# Altium PCB adc_brd_raton_v0.PcbDoc (part 3 of 5)
Units mm, origin at the board's own origin, x right, y up, seen from the top; angles counter-clockwise.
Board outline 276.61 x 128.4 mm, 2 copper layers (Top Layer, Bottom Layer); 535 components, 265 nets, 1345 pads, 548 vias.
Unrouted connection lines stored in the file: 67.
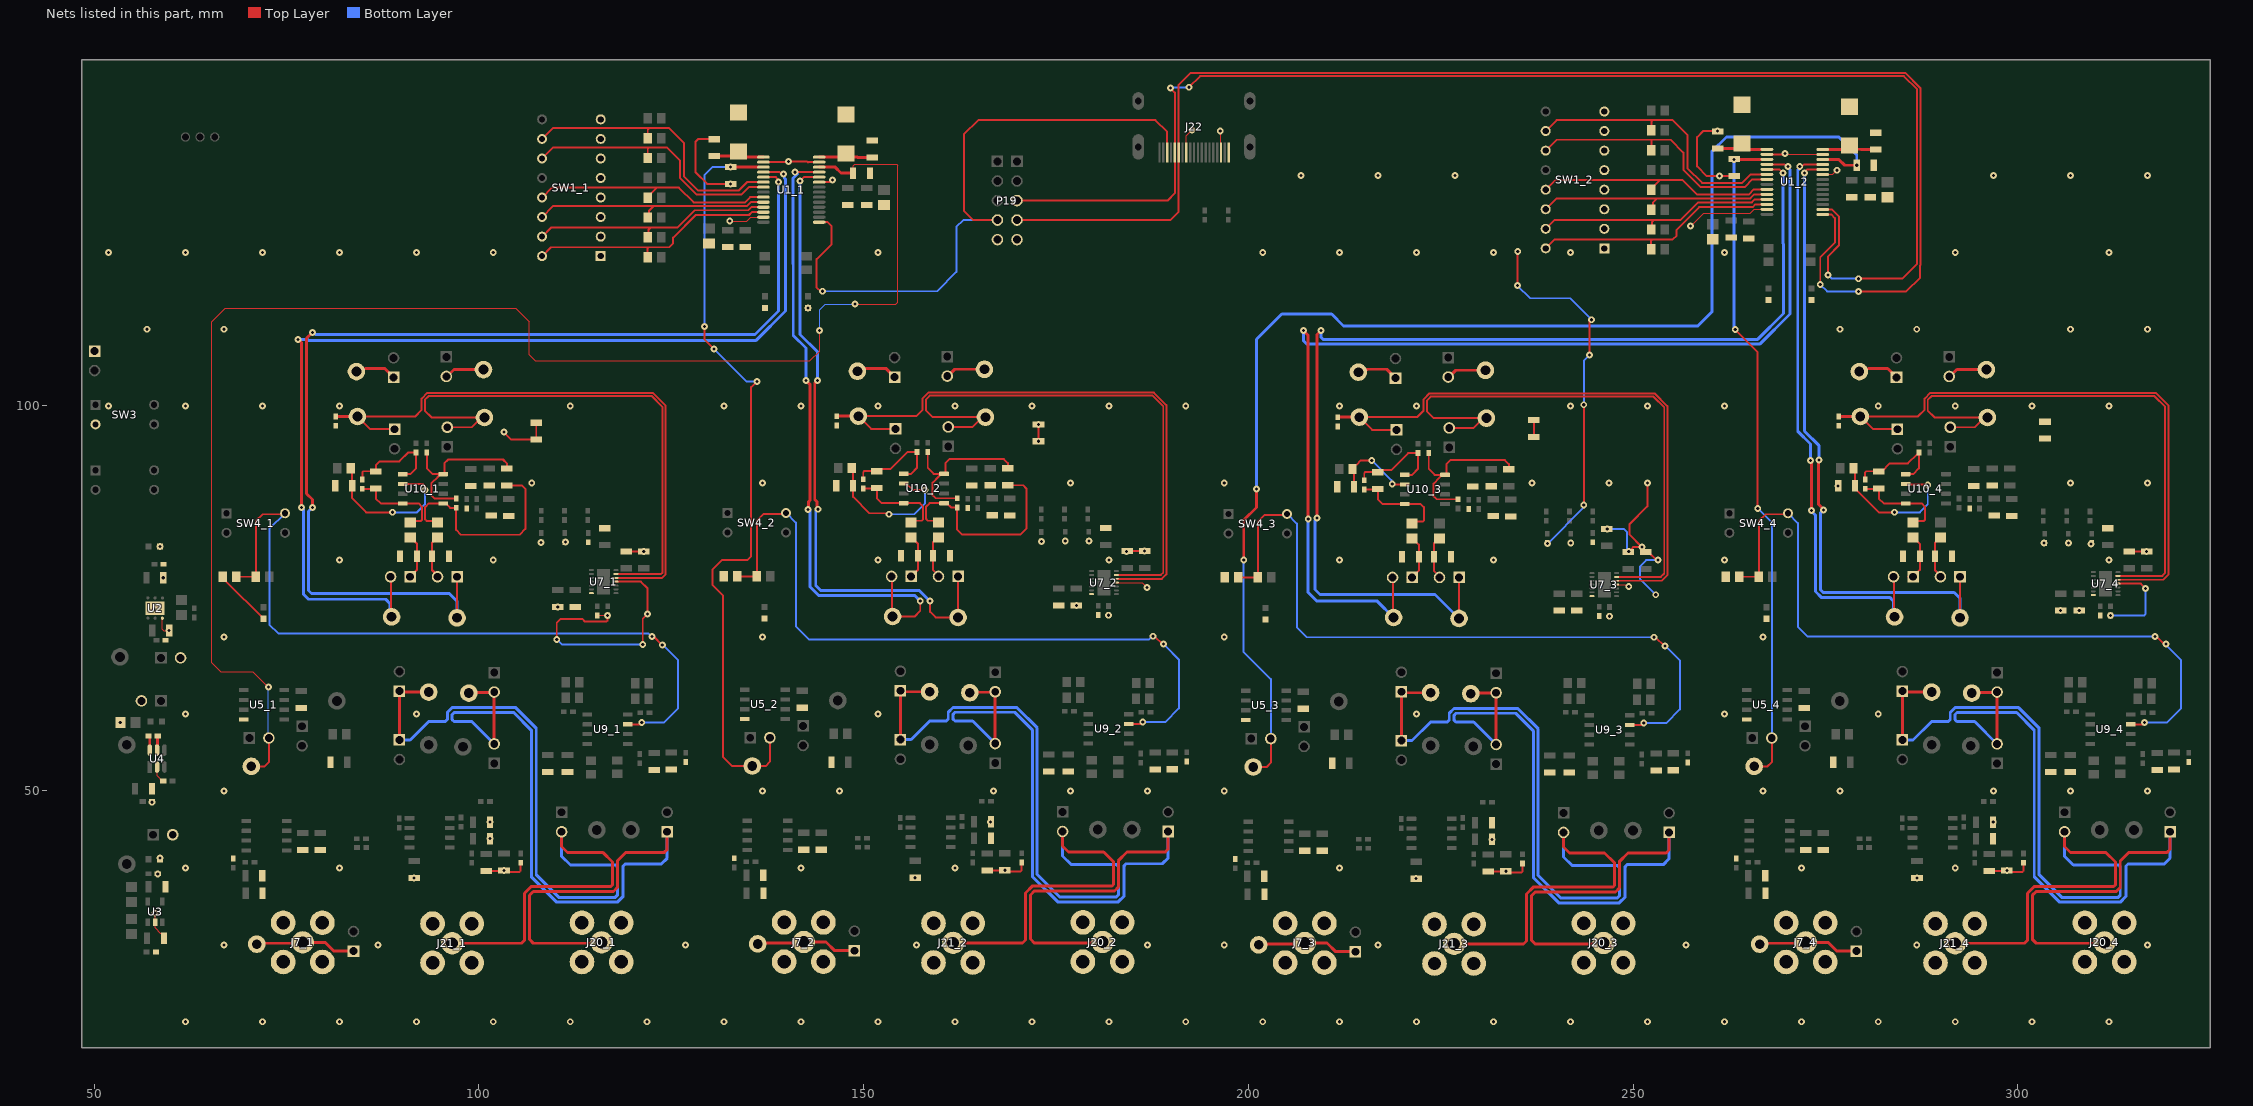
[diagram p3: the nets of this part, all layers, seen from the top]

## Via types
v1: diameter 0.9, hole 0.4, Top Layer to Bottom Layer, tented both sides, 521 vias
v2: diameter 0.9, hole 0.4, Top Layer to Bottom Layer, 23 vias
v3: diameter 6, hole 3.15, Top Layer to Bottom Layer, 4 vias

## Nets (pads, with @x,y where several pads share a name; then routed paths per layer and width w, separated by ;. In a path a pad name is that pad's centre, name@x,y a point inside that pad or via, vN(x,y) a via of type N, cw(c..) or ccw(c..) an arc to the next point about the centre after c; other vN are vias at no path point) (continued)
BCLK_2: J22.5 P19.6 U1_2.16 | length 179.1
  Top Layer w0.254: P19.6@169.926,126.619 189.484,126.619 190.437,127.572 J22.5@190.437,132.842 190.437,140.652 v1(189.865,141.224) ; v1(192.273,141.346) 193.726,142.799 285.198,142.799 286.918,141.078 286.918,119.593 286.915,119.589 286.915,118.386 284.988,116.459 v1(279.273,116.459) ; U1_2.16@274.643,125.469 275.819,125.469 276.733,124.555 276.733,120.777 275.336,119.38 v1(275.336,116.967)
  Bottom Layer w0.254: v1(189.865,141.224) 189.926,141.285 192.212,141.285 v1(192.273,141.346) ; v1(275.336,116.967) 275.844,116.459 v1(279.273,116.459)
CH_1_N: J10_1.1 J20_1.2 P7_1.2 P9_1.2 P11_1.1 | length 115.1
  Top Layer w0.381: J10_1.1@98.679,62.611 98.742,62.674 101.917,62.674 P9_1.2@101.981,62.738 P7_1.2@101.981,56.007 ; J20_1.2@115.938,30.213 115.824,30.099 107.061,30.099 106.553,30.607 106.553,36.322 107.061,36.83 117.475,36.83 117.983,37.338 117.983,40.767 119.126,41.91 124.079,41.91 124.46,42.291 P11_1.1@124.46,44.577
  Bottom Layer w0.381: P7_1.2@101.981,56.007 99.06,58.928 96.743,58.928 96.52,59.151 96.52,59.817 96.774,60.071 104.521,60.071 106.807,57.785 106.807,38.735 110.109,35.433 117.983,35.433 118.745,36.195 118.745,40.132 118.999,40.386 123.698,40.386 124.46,41.148 P11_1.1@124.46,44.577
CH_1_P: J9_1.1 J21_1.2 P8_1.1 P10_1.1 P13_1.2 | length 116.8
  Top Layer w0.381: P10_1.1@89.662,56.515 P8_1.1@89.662,62.865 89.789,62.738 J9_1.1@93.472,62.738 ; J21_1.2@96.52,30.099 105.537,30.099 105.918,30.48 105.918,36.585 106.798,37.465 117.125,37.465 117.348,37.688 117.348,40.64 116.078,41.91 111.506,41.91 111.379,42.037 110.744,42.672 P13_1.2@110.744,44.577
  Bottom Layer w0.381: P10_1.1@89.662,56.515 91.059,56.515 93.472,58.928 95.631,58.928 95.885,59.182 95.885,60.08 96.511,60.706 104.784,60.706 107.442,58.048 107.442,38.998 110.372,36.068 117.72,36.068 117.983,36.331 117.983,40.036 117.76,40.259 111.887,40.259 110.744,41.402 P13_1.2@110.744,44.577
CH_2_N: J10_2.1 J20_2.2 P7_2.2 P9_2.2 P11_2.1 | length 115.1
  Top Layer w0.381: J10_2.1@163.788,62.654 163.851,62.717 167.026,62.717 P9_2.2@167.09,62.781 P7_2.2@167.09,56.05 ; J20_2.2@181.047,30.256 180.933,30.142 172.17,30.142 171.662,30.65 171.662,36.365 172.17,36.873 182.584,36.873 183.092,37.381 183.092,40.81 184.235,41.953 189.188,41.953 189.569,42.334 P11_2.1@189.569,44.62
  Bottom Layer w0.381: P7_2.2@167.09,56.05 164.169,58.971 161.852,58.971 161.629,59.194 161.629,59.86 161.883,60.114 169.63,60.114 171.916,57.828 171.916,38.778 175.218,35.476 183.092,35.476 183.854,36.238 183.854,40.175 184.108,40.429 188.807,40.429 189.569,41.191 P11_2.1@189.569,44.62
CH_2_P: J9_2.1 J21_2.2 P8_2.1 P10_2.1 P13_2.2 | length 116.8
  Top Layer w0.381: P10_2.1@154.771,56.558 P8_2.1@154.771,62.908 154.898,62.781 J9_2.1@158.581,62.781 ; J21_2.2@161.629,30.142 170.646,30.142 171.027,30.523 171.027,36.628 171.907,37.508 182.233,37.508 182.457,37.731 182.457,40.683 181.187,41.953 176.615,41.953 176.488,42.08 175.853,42.715 P13_2.2@175.853,44.62
  Bottom Layer w0.381: P10_2.1@154.771,56.558 156.168,56.558 158.581,58.971 160.74,58.971 160.994,59.225 160.994,60.123 161.62,60.749 169.893,60.749 172.551,58.091 172.551,39.041 175.481,36.111 182.829,36.111 183.092,36.374 183.092,40.079 182.868,40.302 176.996,40.302 175.853,41.445 P13_2.2@175.853,44.62
CH_3_N: J10_3.1 J20_3.2 P7_3.2 P9_3.2 P11_3.1 | length 115.1
  Top Layer w0.381: J10_3.1@228.896,62.527 228.96,62.59 232.135,62.59 P9_3.2@232.198,62.654 P7_3.2@232.198,55.923 ; J20_3.2@246.156,30.129 246.041,30.015 237.278,30.015 236.77,30.523 236.77,36.238 237.278,36.746 247.692,36.746 248.2,37.254 248.2,40.683 249.343,41.826 254.296,41.826 254.677,42.207 P11_3.1@254.677,44.493
  Bottom Layer w0.381: P7_3.2@232.198,55.923 229.277,58.844 226.961,58.844 226.737,59.067 226.737,59.733 226.991,59.987 234.738,59.987 237.024,57.701 237.024,38.651 240.326,35.349 248.2,35.349 248.962,36.111 248.962,40.048 249.216,40.302 253.915,40.302 254.677,41.064 P11_3.1@254.677,44.493
CH_3_P: J9_3.1 J21_3.2 P8_3.1 P10_3.1 P13_3.2 | length 116.8
  Top Layer w0.381: P10_3.1@219.879,56.431 P8_3.1@219.879,62.781 220.006,62.654 J9_3.1@223.689,62.654 ; J21_3.2@226.737,30.015 235.754,30.015 236.135,30.396 236.135,36.501 237.015,37.381 247.342,37.381 247.565,37.604 247.565,40.556 246.295,41.826 241.723,41.826 241.596,41.953 240.961,42.588 P13_3.2@240.961,44.493
  Bottom Layer w0.381: P10_3.1@219.879,56.431 221.276,56.431 223.689,58.844 225.848,58.844 226.102,59.098 226.102,59.996 226.728,60.622 235.001,60.622 237.659,57.964 237.659,38.914 240.589,35.984 247.937,35.984 248.2,36.247 248.2,39.952 247.977,40.175 242.104,40.175 240.961,41.318 P13_3.2@240.961,44.493
CH_4_N: J10_4.1 J20_4.2 P7_4.2 P9_4.2 P11_4.1 | length 115.1
  Top Layer w0.381: J10_4.1@294.005,62.611 294.068,62.674 297.243,62.674 P9_4.2@297.307,62.738 P7_4.2@297.307,56.007 ; J20_4.2@311.264,30.213 311.15,30.099 302.387,30.099 301.879,30.607 301.879,36.322 302.387,36.83 312.801,36.83 313.309,37.338 313.309,40.767 314.452,41.91 319.405,41.91 319.786,42.291 P11_4.1@319.786,44.577
  Bottom Layer w0.381: P7_4.2@297.307,56.007 294.386,58.928 292.069,58.928 291.846,59.151 291.846,59.817 292.1,60.071 299.847,60.071 302.133,57.785 302.133,38.735 305.435,35.433 313.309,35.433 314.071,36.195 314.071,40.132 314.325,40.386 319.024,40.386 319.786,41.148 P11_4.1@319.786,44.577
CH_4_P: J9_4.1 J21_4.2 P8_4.1 P10_4.1 P13_4.2 | length 116.8
  Top Layer w0.381: P10_4.1@284.988,56.515 P8_4.1@284.988,62.865 285.115,62.738 J9_4.1@288.798,62.738 ; J21_4.2@291.846,30.099 300.863,30.099 301.244,30.48 301.244,36.585 302.124,37.465 312.451,37.465 312.674,37.688 312.674,40.64 311.404,41.91 306.832,41.91 306.705,42.037 306.07,42.672 P13_4.2@306.07,44.577
  Bottom Layer w0.381: P10_4.1@284.988,56.515 286.385,56.515 288.798,58.928 290.957,58.928 291.211,59.182 291.211,60.08 291.837,60.706 300.11,60.706 302.768,58.048 302.768,38.998 305.698,36.068 313.046,36.068 313.309,36.331 313.309,40.036 313.086,40.259 307.213,40.259 306.07,41.402 P13_4.2@306.07,44.577
CH_G_OUT_1_N: J16_1.1 P15_1.1 R31_1.2 U7_1.12 | length 79.7
  Top Layer w0.254: P15_1.1@89.027,96.901 85.852,96.901 J16_1.1@84.201,98.552 91.694,98.552 92.558,99.416 92.558,100.879 93.304,101.625 122.596,101.625 124.231,99.99 124.231,78.003 123.817,77.589 U7_1.12@117.805,77.589
  Top Layer w0.381: R31_1.2@81.407,98.552 J16_1.1@84.201,98.552
CH_G_OUT_1_P: J18_1.1 P17_1.2 U7_1.13 | length 73.8
  Top Layer w0.254: P17_1.2@95.885,97.155 99.06,97.155 J18_1.1@100.33,98.425 ; J18_1.1@100.711,98.425 J18_1.1@100.33,98.425 ; U7_1.13@117.805,78.089 123.682,78.089 123.825,78.232 123.825,99.822 122.428,101.219 93.472,101.219 92.964,100.711 92.964,99.314 93.853,98.425 J18_1.1@100.33,98.425
CH_G_OUT_2_N: J16_2.1 P15_2.1 R31_2.2 U7_2.12 | length 79.9
  Top Layer w0.254: P15_2.1@154.136,96.944 150.961,96.944 J16_2.1@149.31,98.595 156.803,98.595 157.666,99.459 157.666,100.922 158.412,101.668 187.705,101.668 189.34,100.033 189.34,78.046 188.756,77.462 U7_2.12@182.829,77.462
  Top Layer w0.381: R31_2.2@146.516,98.595 J16_2.1@149.31,98.595
CH_G_OUT_2_P: J18_2.1 P17_2.2 U7_2.13 | length 74
  Top Layer w0.254: P17_2.2@160.994,97.198 164.169,97.198 J18_2.1@165.439,98.468 ; J18_2.1@165.82,98.468 J18_2.1@165.439,98.468 ; U7_2.13@182.829,77.962 188.621,77.962 188.934,78.275 188.934,99.865 187.537,101.262 158.581,101.262 158.073,100.754 158.073,99.357 158.962,98.468 J18_2.1@165.439,98.468
CH_G_OUT_3_N: J16_3.1 P15_3.1 R31_3.2 U7_3.12 | length 80
  Top Layer w0.254: P15_3.1@219.244,96.817 216.069,96.817 J16_3.1@214.418,98.468 221.911,98.468 222.775,99.332 222.775,100.795 223.521,101.541 252.814,101.541 254.449,99.906 254.449,77.919 253.737,77.208 U7_3.12@247.853,77.208
  Top Layer w0.381: R31_3.2@211.624,98.468 J16_3.1@214.418,98.468
CH_G_OUT_3_P: J18_3.1 P17_3.2 U7_3.13 | length 74.1
  Top Layer w0.254: P17_3.2@226.102,97.071 229.277,97.071 J18_3.1@230.547,98.341 ; J18_3.1@230.928,98.341 J18_3.1@230.547,98.341 ; U7_3.13@247.853,77.708 253.602,77.708 254.042,78.148 254.042,99.738 252.645,101.135 223.689,101.135 223.181,100.627 223.181,99.23 224.07,98.341 J18_3.1@230.547,98.341
CH_G_OUT_4_N: J16_4.1 P15_4.1 R31_4.2 U7_4.12 | length 80
  Top Layer w0.254: P15_4.1@284.353,96.901 281.178,96.901 J16_4.1@279.527,98.552 287.02,98.552 287.884,99.416 287.884,100.879 288.63,101.625 317.922,101.625 319.557,99.99 319.557,78.003 318.889,77.335 U7_4.12@313.004,77.335
  Top Layer w0.381: R31_4.2@276.733,98.552 J16_4.1@279.527,98.552
CH_G_OUT_4_P: J18_4.1 P17_4.2 U7_4.13 | length 74.3
  Top Layer w0.254: P17_4.2@291.211,97.155 294.386,97.155 J18_4.1@295.656,98.425 ; J18_4.1@296.037,98.425 J18_4.1@295.656,98.425 ; U7_4.13@312.752,77.851 318.77,77.851 319.151,78.232 319.151,99.822 317.754,101.219 288.798,101.219 288.29,100.711 288.29,99.314 289.179,98.425 J18_4.1@295.656,98.425
CH_G_OUT_N_1_N: J15_1.1 P14_1.1 | length 5.5
  Top Layer w0.381: J15_1.1@84.074,104.394 84.439,104.759 85.233,104.759 85.25,104.775 87.757,104.775 P14_1.1@88.9,103.632
CH_G_OUT_N_1_P: J13_1.1 P12_1.2 | length 5.2
  Top Layer w0.381: P12_1.2@95.758,103.759 95.849,103.759 96.738,104.648 J13_1.1@100.584,104.648
CH_G_OUT_N_2_N: J15_2.1 P14_2.1 | length 5.5
  Top Layer w0.381: J15_2.1@149.183,104.437 149.547,104.802 150.342,104.802 150.358,104.818 152.866,104.818 P14_2.1@154.009,103.675
CH_G_OUT_N_2_P: J13_2.1 P12_2.2 | length 5.2
  Top Layer w0.381: P12_2.2@160.867,103.802 160.958,103.802 161.847,104.691 J13_2.1@165.693,104.691
CH_G_OUT_N_3_N: J15_3.1 P14_3.1 | length 5.5
  Top Layer w0.381: J15_3.1@214.291,104.31 214.656,104.675 215.451,104.675 215.467,104.691 217.974,104.691 P14_3.1@219.117,103.548
CH_G_OUT_N_3_P: J13_3.1 P12_3.2 | length 5.2
  Top Layer w0.381: P12_3.2@225.975,103.675 226.066,103.675 226.955,104.564 J13_3.1@230.801,104.564
CH_G_OUT_N_4_N: J15_4.1 P14_4.1 | length 5.5
  Top Layer w0.381: J15_4.1@279.4,104.394 279.765,104.759 280.559,104.759 280.576,104.775 283.083,104.775 P14_4.1@284.226,103.632
CH_G_OUT_N_4_P: J13_4.1 P12_4.2 | length 5.2
  Top Layer w0.381: P12_4.2@291.084,103.759 291.175,103.759 292.064,104.648 J13_4.1@295.91,104.648
CH_IN_1: J6_1.1 J7_1.2 P6_1.1 | length 13.1
  Top Layer w0.381: J6_1.1@71.12,29.972 71.241,30.093 76.981,30.093 J7_1.2@77.102,30.213 79.993,30.213 81.123,29.083 P6_1.1@83.693,29.083
CH_IN_2: J6_2.1 J7_2.2 P6_2.1 | length 13.1
  Top Layer w0.381: J6_2.1@136.229,30.015 136.349,30.136 142.09,30.136 J7_2.2@142.21,30.256 145.102,30.256 146.232,29.126 P6_2.1@148.802,29.126
CH_IN_3: J6_3.1 J7_3.2 P6_3.1 | length 13.1
  Top Layer w0.381: J6_3.1@201.337,29.888 201.458,30.009 207.198,30.009 J7_3.2@207.319,30.129 210.21,30.129 211.341,28.999 P6_3.1@213.91,28.999
CH_IN_4: J6_4.1 J7_4.2 P6_4.1 | length 13.1
  Top Layer w0.381: J6_4.1@266.446,29.972 266.567,30.093 272.307,30.093 J7_4.2@272.428,30.213 275.319,30.213 276.449,29.083 P6_4.1@279.019,29.083
CH_OUT_N_1_N: J19_1.1 P18_1.1 U1_1.5 | length 142.8
  Top Layer w0.254: J19_1.1@97.155,72.39 P18_1.1@97.155,77.724 ; U1_1.5@136.964,129.653 138.583,129.653 v1@139.065,129.171
  Top Layer w0.381: v1(78.359,86.741) 78.353,86.747 78.353,87.763 77.597,88.519 77.597,108.712 v1(78.359,109.474)
  Bottom Layer w0.381: v1(78.359,86.741) 77.851,86.233 77.851,75.946 78.232,75.565 96.139,75.565 97.155,74.549 J19_1.1@97.155,72.39 ; v1(78.359,109.474) 78.499,109.474 78.753,109.22 135.89,109.22 138.938,112.268 v1(138.938,129.032)
CH_OUT_N_1_P: J17_1.1 P16_1.2 U1_1.4 | length 137.6
  Top Layer w0.254: P16_1.2@88.519,77.724 88.582,77.66 88.582,72.581 J17_1.1@88.646,72.517 ; U1_1.4@136.964,130.303 139.076,130.303 v1@139.452,129.927
  Top Layer w0.381: v1(76.454,108.585) 76.479,108.585 76.962,108.102 v1(76.962,86.741)
  Bottom Layer w0.381: v1(76.454,108.585) 77.731,108.585 77.858,108.458 136.026,108.458 139.833,112.264 139.833,129.403 139.672,129.563 139.672,129.949 v1(139.573,130.048) ; v1@77.089,86.614 77.216,86.487 77.216,75.438 77.851,74.803 87.884,74.803 88.456,74.231 88.456,72.707 J17_1.1@88.646,72.517
CH_OUT_N_2_N: J19_2.1 P18_2.1 U1_1.24 | length 83
  Top Layer w0.254: v1(141.732,129.171) 142.214,129.653 U1_1.24@144.214,129.653 ; v1(158.623,74.549) 158.623,73.152 159.342,72.433 J19_2.1@162.264,72.433 P18_2.1@162.264,77.767
  Top Layer w0.381: v1(144.018,103.251) 143.637,102.87 143.637,87.757 143.955,87.439 143.955,86.599 v1(144.054,86.499)
  Bottom Layer w0.381: v1(141.732,129.171) 141.732,109.22 144.018,106.934 v1(144.018,103.251) ; v1@144.018,86.487 143.769,86.238 143.769,76.586 144.408,75.946 157.226,75.946 v1(158.623,74.549)
CH_OUT_N_2_P: J17_2.1 P16_2.2 U1_1.25 | length 84
  Top Layer w0.254: v1(141.097,130.302) 141.605,130.302 141.606,130.303 U1_1.25@144.214,130.303 ; P16_2.2@153.628,77.767 153.691,77.703 153.691,72.623 J17_2.1@153.755,72.56 156.634,72.56 157.353,73.279 v1(157.353,74.549)
  Top Layer w0.381: v1(142.494,103.251) 143.002,102.743 143.002,87.63 142.847,87.475 142.847,86.586 v1(142.748,86.487)
  Bottom Layer w0.381: v1(141.097,130.302) 141.155,130.302 141.376,130.08 140.837,129.542 140.837,118.37 140.843,118.364 140.843,109.093 142.494,107.442 v1(142.494,103.251) ; v1@142.875,86.487 142.997,86.365 142.997,76.459 144.145,75.311 156.591,75.311 v1(157.353,74.549)
CH_OUT_N_3_N: J19_3.1 P18_3.1 U1_2.5 | length 142.7
  Top Layer w0.254: J19_3.1@227.372,72.306 P18_3.1@227.372,77.64 ; U1_2.5@267.393,130.669 269.012,130.669 v1(269.494,130.187)
  Top Layer w0.381: v1(208.915,85.344) 208.915,109.22 v1(209.423,109.728)
  Bottom Layer w0.381: v1(208.915,85.344) 208.661,85.09 208.661,76.073 209.296,75.438 224.24,75.438 J19_3.1@227.372,72.306 ; v1(209.423,109.728) 209.423,108.839 209.679,108.583 266.181,108.583 269.553,111.955 269.553,120.951 269.494,121.01 v1(269.494,130.187)
CH_OUT_N_3_P: J17_3.1 P16_3.2 U1_2.4 | length 140.1
  Top Layer w0.254: P16_3.2@218.736,77.64 218.8,77.576 218.8,72.496 J17_3.1@218.863,72.433 ; U1_2.4@267.393,131.319 269.657,131.319 v1@269.789,131.188
  Top Layer w0.381: v1(207.137,109.728) 207.772,109.093 v1(207.772,85.217)
  Bottom Layer w0.381: v1(207.137,109.728) 207.137,108.432 207.621,107.948 266.444,107.948 270.389,111.893 270.389,130.664 270.129,130.924 v1(270.129,131.064) ; v1(207.772,85.217) 207.772,75.692 208.915,74.549 216.747,74.549 J17_3.1@218.863,72.433
CH_OUT_N_4_N: J19_4.1 P18_4.1 U1_2.24 | length 84.6
  Top Layer w0.254: v1@272.161,130.187 272.643,130.669 U1_2.24@274.643,130.669 ; J19_4.1@292.481,72.39 P18_4.1@292.481,77.724
  Top Layer w0.381: v1@274.193,92.964 v1(274.13,92.9) 274.066,92.837 274.066,87.177 274.736,86.507 v1(274.736,86.402)
  Bottom Layer w0.381: v1(272.288,130.175) 272.288,96.647 274.13,94.805 v1(274.13,92.9) ; v1@274.701,86.36 274.325,85.984 274.325,76.078 274.71,75.692 291.719,75.692 292.481,74.93 J19_4.1@292.481,72.39
CH_OUT_N_4_P: J17_4.1 P16_4.2 U1_2.25 | length 78
  Top Layer w0.254: v1(271.653,131.059) 271.653,131.15 271.761,131.258 271.955,131.064 272.21,131.319 U1_2.25@274.643,131.319 ; P16_4.2@283.845,77.724 283.908,77.66 283.908,72.581 J17_4.1@283.972,72.517
  Top Layer w0.381: v1(273.05,92.837) 273.177,92.71 v1(273.177,86.36)
  Bottom Layer w0.381: v1(271.653,131.059) 271.78,130.932 271.393,130.546 271.393,96.643 273.05,94.987 v1(273.05,92.837) ; v1@272.923,86.487 273.685,85.725 273.685,75.819 274.447,75.057 283.337,75.057 283.845,74.549 283.845,72.644 J17_4.1@283.972,72.517
COM_1: C6_1.1 J5_1.1 P5_1.2 U1_1.26 | length 196.2
  Top Layer w0.152: v1(72.644,63.373) 70.612,65.405 66.421,65.405 65.278,66.548 65.278,110.871 67.056,112.649 104.775,112.649 106.553,110.871 106.553,106.553 107.315,105.791 143.002,105.791 144.272,107.061 v1(144.272,109.725) ; C6_1.1@148.633,130.187 148.664,130.218 148.664,131.163 148.819,131.318 154.305,131.318 154.432,131.191 154.432,113.411 154.178,113.157 v1(148.844,113.157)
  Top Layer w0.254: J5_1.1@70.409,53.086 72.136,53.086 72.695,53.645 P5_1.2@72.695,56.769
  Top Layer w0.381: U1_1.26@144.214,130.953 146.3,130.953 147.066,130.187 C6_1.1@148.633,130.187
  Bottom Layer w0.152: v1(72.644,63.373) 72.644,56.82 P5_1.2@72.695,56.769 ; v1(144.272,109.725) 144.272,112.395 145.034,113.157 v1(148.844,113.157)
COM_2: C5_1.1 J5_2.1 P5_2.2 U1_1.3 | length 101.8
  Top Layer w0.254: v1(129.286,110.236) 129.286,108.585 v1(130.556,107.315) ; v1(136.144,103.124) 135.382,102.362 135.382,80.391 134.874,79.883 131.572,79.883 130.325,78.636 130.325,76.667 131.699,75.293 131.699,54.356 132.926,53.129 J5_2.1@135.518,53.129 137.245,53.129 137.804,53.688 P5_2.2@137.804,56.812
  Top Layer w0.381: C5_1.1@132.564,130.96 U1_1.3@136.273,130.96 ; v1(132.715,130.99) C5_1.1@132.762,131.037
  Bottom Layer w0.254: v1(129.286,110.236) 129.286,129.921 130.355,130.99 v1(132.715,130.99) ; v1(130.556,107.315) 134.747,103.124 v1(136.144,103.124)
COM_3: C6_2.1 J5_3.1 P5_3.2 U1_2.26 | length 169
  Top Layer w0.254: J5_3.1@200.626,53.002 202.353,53.002 202.912,53.561 P5_3.2@202.912,56.685
  Top Layer w0.381: v1(199.39,79.883) 199.39,85.09 201.041,86.741 v1(201.041,89.154) ; U1_2.26@274.643,131.969 276.729,131.969 277.495,131.203 v1(279.062,131.203)
  Bottom Layer w0.254: v1(199.39,79.883) 199.39,67.945 202.912,64.423 P5_3.2@202.912,56.685
  Bottom Layer w0.381: v1@201.041,89.281 201.041,108.585 204.343,111.887 210.82,111.887 212.375,110.332 258.409,110.332 260.223,112.146 260.223,132.969 262.128,134.874 276.733,134.874 279.062,132.545 v1(279.062,131.203)
COM_4: C5_2.1 J5_4.1 P5_4.2 U1_2.3 | length 86.7
  Top Layer w0.254: v1(263.271,109.855) 266.192,106.934 v1(266.192,86.614) ; J5_4.1@265.735,53.086 267.462,53.086 268.021,53.645 P5_4.2@268.021,56.769
  Top Layer w0.381: C5_2.1@262.993,131.976 v1(263.092,131.976) U1_2.3@266.702,131.976 ; C5_2.1@263.144,132.006 C5_2.1@263.191,132.053
  Bottom Layer w0.254: v1(266.192,86.614) 268.021,84.785 P5_4.2@268.021,56.769
  Bottom Layer w0.381: v1(263.092,131.976) 263.092,110.034 v1(263.271,109.855)
DATA_1: J22.3 P19.7 U1_1.15 | length 86.7
  Top Layer w0.254: U1_1.15@144.214,123.803 145.322,123.803 145.796,123.329 145.796,120.904 143.891,118.999 143.891,115.316 v1@144.399,114.808 ; P19.7@167.386,124.079 164.211,124.079 163.017,125.273 163.017,135.211 164.89,137.084 187.916,137.084 189.437,135.562 J22.3@189.437,132.842
  Bottom Layer w0.254: v1(144.634,114.831) 159.535,114.831 162.052,117.348 162.052,123.19 162.941,124.079 P19.7@167.386,124.079
DATA_2: J22.6 P19.8 U1_2.15 | length 185.8
  Top Layer w0.254: P19.8@169.926,124.079 189.865,124.079 190.937,125.151 J22.6@190.937,132.842 190.937,141.661 192.481,143.205 285.366,143.205 287.325,141.246 287.325,118.221 287.296,118.192 287.296,116.608 285.496,114.808 v1(279.273,114.808) ; v1(274.32,115.697) 274.32,119.253 276.225,121.158 276.225,124.345 275.751,124.819 U1_2.15@274.643,124.819
  Bottom Layer w0.254: v1(274.32,115.697) 275.209,114.808 v1(279.273,114.808)
DGND: C1_1.2 C1_2.2 C2_1.2 C2_2.2 C3_1.2 C3_2.2 C4_1.2 C4_2.2 C5_1.2 C5_2.2 C6_1.2 C6_2.2 C7_1.2 C7_2.2 C8_1.2 C8_2.2 C9_1.2 C9_2.2 C10_1.2 C10_2.2 C11_1.2 C11_2.2 C12_1.2 C12_2.2 C13.2 C14.2 C15.2 C16.2 C17.2 C18.2 C19.2 C20.2 C21.2 C22.2 C23.2 C25_1.2 C25_2.2 C25_3.2 C25_4.2 C26_1.2 C26_2.2 C26_3.2 C26_4.2 C27_1.2 C27_2.2 C27_3.2 C27_4.2 C28_1.2 C28_2.2 C28_3.2 C28_4.2 C29_1.2 C29_2.2 C29_3.2 C29_4.2 C30_1.2 C30_2.2 C30_3.2 C30_4.2 C31_1.2 C31_2.2 C31_3.2 C31_4.2 C32_1.2 C32_2.2 C32_3.2 C32_4.2 C33_1.2 C33_2.2 C33_3.2 C33_4.2 C34_1.2 C34_2.2 C34_3.2 C34_4.2 C35_1.2 C35_2.2 C35_3.2 C35_4.2 C36_1.2 C36_2.2 C36_3.2 C36_4.2 C37_1.2 C37_2.2 C37_3.2 C37_4.2 C38_1.2 C38_2.2 C38_3.2 C38_4.2 C39_1.2 C39_2.2 C39_3.2 C39_4.2 C40_1.2 C40_2.2 C40_3.2 C40_4.2 C42_1.2 C42_2.2 C42_3.2 C42_4.2 C43_1.2 C43_2.2 C43_3.2 C43_4.2 C44_1.2 C44_2.2 C44_3.2 C44_4.2 C45_1.2 C45_2.2 C45_3.2 C45_4.2 C46_1.2 C46_2.2 C46_3.2 C46_4.2 C56_1.2 C56_2.2 C56_3.2 C56_4.2 C57_1.1 C57_2.1 C57_3.1 C57_4.1 C58_1.2 C58_2.2 C58_3.2 C58_4.2 C59_1.2 C59_2.2 C59_3.2 C59_4.2 C60_1.2 C60_2.2 C60_3.2 C60_4.2 C61_1.2 C61_2.2 C61_3.2 C61_4.2 C62_1.1 C62_1.2 C62_2.1 C62_2.2 C62_3.1 C62_3.2 C62_4.1 C62_4.2 J7_1.1 J7_2.1 J7_3.1 J7_4.1 J20_1.1 J20_2.1 J20_3.1 J20_4.1 J21_1.1 J21_2.1 J21_3.1 J21_4.1 J22.8 J22.17 J22.19 LED1_1.1 LED1_2.1 LED2_1.1 LED2_2.1 LED3.1 LED4.1 LED5_1.1 LED5_2.1 LED5_3.1 LED5_4.1 P1.2 P2.2 P3.2 P19.9 P19.10 P20.1 R19_1.1 R19_2.1 R19_3.1 R19_4.1 R20_1.1 R20_2.1 R20_3.1 R20_4.1 R31_1.1 R31_2.1 R31_3.1 R31_4.1 R48.1 R49.1 R50.1 R54.1 R55.1 R56.1 R60.1 R61.1 R62.1 R66.1 R67.1 R68.1 R70_1.2 R70_2.2 R70_3.2 R70_4.2 R72_1.1 R72_2.1 R72_3.1 R72_4.1 R75_1.2 R75_2.2 R75_3.2 R75_4.2 R78_1.1 R78_2.1 R78_3.1 R78_4.1 R79_1.1 R79_2.1 R79_3.1 R79_4.1 R80.1 SW1_1.1 SW1_1.2 SW1_1.3 SW1_1.4 SW1_1.5 SW1_1.6 SW1_1.7 SW1_1.8 SW1_2.1 SW1_2.2 SW1_2.3 SW1_2.4 SW1_2.5 SW1_2.6 SW1_2.7 SW1_2.8 SW3.2 U1_1.2 U1_1.13 U1_1.23 U1_1.27 U1_2.2 U1_2.13 U1_2.23 U1_2.27 U2.3 U2.7 U3.2 U4.2 U5_1.4 U5_2.4 U5_3.4 U5_4.4 U7_1.7 U7_1.11 U7_2.7 U7_2.11 U7_3.7 U7_3.11 U7_4.7 U7_4.11 | length 246.3
  Top Layer w0.152: v2(57.912,34.036) U3.2@57.912,32.813 57.912,32.084 58.589,31.408 58.731,31.408 59.055,31.084 C18.2@59.055,30.734 ; U4.2@58.166,53.002 58.166,51.878 58.863,51.181 C21.2@58.963,51.181 ; U2.3@58.862,72.339 58.862,70.932 59.055,70.739 v1(59.739,70.739) ; R19_1.1@115.382,72.706 116.687,72.706 v1(116.713,72.679) ; v1(132.588,123.952) 134.81,123.952 135.311,124.453 U1_1.13@136.964,124.453 ; U7_2.11@182.829,76.962 186.182,76.962 v1(186.817,76.327) ; J22.8@191.937,132.842 191.937,135.041 v2(192.659,135.763) ; v2(196.342,135.636) 196.389,135.589 196.389,132.89 J22.17@196.437,132.842 ; U7_3.11@247.853,76.708 248.972,76.708 249.226,76.454 v1(249.428,76.454) ; v2(257.429,123.317) 257.556,123.317 259.207,124.968 265.239,124.968 265.74,125.469 U1_2.13@267.393,125.469 ; v1(269.763,132.73) 269.828,132.666 274.596,132.666 U1_2.27@274.643,132.619 ; U1_2.23@274.643,130.019 275.942,130.019 v2(276.479,130.556)
  Top Layer w0.254: R70_1.2@66.689,77.724 67.112,77.301 67.112,77.16 LED5_1.1@72.009,72.263 ; C28_1.2@100.965,39.497 103.208,39.497 103.335,39.37 105.261,39.37 105.41,39.519 R79_1.1@105.41,40.548 ; v1(103.251,96.52) 104.224,95.547 C62_1.1@107.442,95.547 C62_1.2@107.442,97.747 ; v1(110.109,69.596) 110.109,71.755 110.617,72.263 113.4,72.263 113.781,71.882 116.564,71.882 116.713,72.031 v1(116.713,72.679) ; U7_1.11@117.805,77.089 121.031,77.089 121.92,76.2 v1(121.92,72.898) 121.285,72.263 v1(121.285,68.903) ; C36_1.2@119.126,81.026 v1(121.412,81.026) ; C3_1.2@130.556,134.589 130.525,134.62 128.524,134.62 128.143,134.239 128.143,130.302 129.655,128.79 v1(132.715,128.79) ; U1_1.2@136.964,131.603 140.112,131.603 v1(140.223,131.714) 142.606,131.714 142.748,131.572 142.779,131.603 U1_1.27@144.214,131.603 ; U1_1.23@144.214,129.003 145.513,129.003 v1@145.669,129.159 ; C28_2.2@166.074,39.54 168.317,39.54 168.444,39.413 170.37,39.413 170.519,39.562 R79_2.1@170.519,40.591 ; v1(172.72,95.336) v1(172.72,97.536) ; C36_2.2@184.235,81.069 v1(186.521,81.069) ; C28_3.2@231.182,39.413 233.425,39.413 233.552,39.286 235.479,39.286 235.627,39.435 R79_3.1@235.627,40.464 ; v1(234.95,115.57) 234.975,115.595 234.975,119.975 v2(235,120) ; C62_3.1@237.109,95.885 C62_3.2@237.109,98.085 ; v1(243.586,87.058) v1(243.586,100.076) ; v1(244.348,106.553) 244.348,110.871 v1(244.602,111.125) ; C36_3.2@249.343,80.942 249.989,81.587 v1(251.153,81.587) 249.555,83.185 249.555,84.582 251.841,86.868 v1(251.841,89.916) ; C35_3.2@251.629,80.942 251.979,80.942 253.038,79.883 v1(253.238,79.883) ; C3_2.2@260.985,135.605 260.954,135.636 259.08,135.636 258.318,134.874 258.318,131.064 259.576,129.806 v1(261.227,129.806) C5_2.2@263.144,129.806 ; U1_2.2@267.393,132.619 269.652,132.619 v1(269.763,132.73) ; C28_4.2@296.291,39.497 298.534,39.497 298.661,39.37 300.587,39.37 300.736,39.519 R79_4.1@300.736,40.548 ; U7_4.11@313.004,76.835 315.976,76.835 v1(316.611,76.2) ; C36_4.2@314.452,81.026 v1(316.738,81.026)
  Bottom Layer w0.254: v1(110.109,69.596) 110.802,68.903 v1(121.285,68.903) ; v1(234.95,115.57) 236.601,113.919 241.808,113.919 v1(244.602,111.125) ; v1(238.887,82.042) 243.586,86.741 v1(243.586,87.058) ; v1(243.586,100.076) 243.586,105.791 v1(244.348,106.553) ; v1(246.634,83.947) 248.793,83.947 249.221,83.519 v1@249.221,81.28 ; v1(252.938,75.388) 250.9,77.426 250.9,79.085 251.698,79.883 v1(253.238,79.883) ; v1(312.039,72.679) 316.392,72.679 316.611,72.898 v1(316.611,76.2)
  other v1: 61.86,19.891 71.86,19.891 81.86,19.891 91.86,19.891 101.86,19.891 111.86,19.891 121.86,19.891 131.86,19.891 141.86,19.891 151.86,19.891 161.86,19.891 171.86,19.891 181.86,19.891 191.86,19.891 201.86,19.891 211.86,19.891 221.86,19.891 231.86,19.891 241.86,19.891 251.86,19.891 261.86,19.891 271.86,19.891 281.86,19.891 291.86,19.891 301.86,19.891 311.86,19.891 66.86,29.891 86.86,29.891 126.86,29.891 156.86,29.891 186.86,29.891 196.86,29.891 216.86,29.891 256.86,29.891 286.86,29.891 316.86,29.891 221.784,38.483 91.567,38.567 286.893,38.567 156.676,38.61 233.468,39.456 103.251,39.54 298.577,39.54 168.36,39.583 61.86,39.891 81.86,39.891 141.86,39.891 161.86,39.891 211.86,39.891 271.86,39.891 291.86,39.891 58.547,41.148 231.647,43.604 101.43,43.688 101.43,45.847 166.497,45.847 296.799,45.847 66.86,49.891 136.86,49.891 146.86,49.891 166.86,49.891 176.86,49.891 186.86,49.891 196.86,49.891 266.86,49.891 276.86,49.891 296.86,49.891 306.86,49.891 316.86,49.891 61.86,59.891 91.86,59.891 151.86,59.891 221.86,59.891 261.86,59.891 281.86,59.891 66.86,69.891 136.86,69.891 196.86,69.891 266.86,69.891 246.93,72.595 181.822,72.722 305.562,73.322 307.975,73.322 57.785,73.533 110.236,73.787 177.631,74 58.969,77.597 81.86,79.891 101.86,79.891 151.86,79.891 181.86,79.891 211.86,79.891 231.86,79.891 261.86,79.891 311.86,79.891 249.428,80.986 184.15,81.026 58.535,81.661 309.499,81.985 241.889,82.112 303.38,82.112 306.566,82.112 108.077,82.204 173.101,82.331 179.255,82.366 106.86,89.891 136.86,89.891 176.86,89.891 196.86,89.891 236.86,89.891 246.86,89.891 306.86,89.891 316.86,89.891 51.86,99.891 61.86,99.891 71.86,99.891 81.86,99.891 111.86,99.891 131.86,99.891 141.86,99.891 151.86,99.891 161.86,99.891 171.86,99.891 181.86,99.891 191.86,99.891 211.86,99.891 221.86,99.891 241.86,99.891 251.86,99.891 261.86,99.891 281.86,99.891 291.86,99.891 301.86,99.891 311.86,99.891 56.86,109.891 66.86,109.891 276.86,109.891 286.86,109.891 306.86,109.891 316.86,109.891 142.748,112.673 51.86,119.891 61.86,119.891 71.86,119.891 81.86,119.891 91.86,119.891 101.86,119.891 151.86,119.891 201.86,119.891 211.86,119.891 221.86,119.891 231.86,119.891 241.86,119.891 261.86,119.891 291.86,119.891 311.86,119.891 145.923,129.298 206.86,129.891 216.86,129.891 226.86,129.891 296.86,129.891 306.86,129.891 316.86,129.891 260.985,135.636
  other v2: 58.258,39.116 57.506,48.424 53.381,58.801 111.226,82.219 176.195,82.366 276.649,89.535
FG_EN_1: R69_1.1 R70_1.1 SW4_1.4 U9_1.7 | length 97.8
  Top Layer w0.254: R70_1.1@68.439,77.724 R69_1.1@71.007,77.724 71.007,84.977 71.882,85.852 74.676,85.852 SW4_1.4@74.803,85.979 ; U9_1.7@119.338,58.547 120.904,58.547 v1(121.158,58.801) ; v1@122.428,69.977 122.682,69.977 v1(123.825,68.834)
  Bottom Layer w0.254: SW4_1.4@74.803,85.979 72.771,83.947 72.771,71.501 73.914,70.358 76.962,70.358 122.002,70.358 122.41,69.949 v1(122.474,69.949) ; v1(121.158,58.801) 124.079,58.801 125.857,60.579 125.857,66.929 v1@124.079,68.707
FG_EN_2: R69_2.1 R70_2.1 SW4_2.4 U9_2.7 | length 94.7
  Top Layer w0.254: R70_2.1@133.548,77.767 R69_2.1@136.116,77.767 136.116,85.02 136.991,85.895 139.785,85.895 SW4_2.4@139.912,86.022 ; U9_2.7@184.447,58.59 186.013,58.59 v1(186.267,58.844) ; v1@187.537,70.02 187.791,70.02 188.85,68.961 v1(188.976,68.961)
  Bottom Layer w0.254: SW4_2.4@139.912,86.022 141.182,84.752 141.182,71.29 142.876,69.596 187.11,69.596 187.507,69.992 v1(187.582,69.992) ; v1(186.267,58.844) 189.188,58.844 190.966,60.622 190.966,66.972 v1@189.188,68.75
FG_EN_3: R69_3.1 R70_3.1 SW4_3.4 U9_3.7 | length 94.4
  Top Layer w0.254: R70_3.1@198.656,77.64 R69_3.1@201.224,77.64 201.224,84.893 202.099,85.768 204.893,85.768 SW4_3.4@205.02,85.895 ; U9_3.7@249.555,58.463 251.121,58.463 v1(251.375,58.717) ; v1@252.645,69.893 252.899,69.893 254.085,68.707 v1(254.127,68.707)
  Bottom Layer w0.254: SW4_3.4@205.02,85.895 206.29,84.625 206.29,71.163 207.588,69.865 v1(252.691,69.865) ; v1(251.375,58.717) 254.296,58.717 256.074,60.495 256.074,66.845 v1@254.296,68.623
FG_EN_4: R69_4.1 R70_4.1 SW4_4.4 U9_4.7 | length 94.4
  Top Layer w0.254: R70_4.1@263.765,77.724 R69_4.1@266.333,77.724 266.333,84.977 267.208,85.852 270.002,85.852 SW4_4.4@270.129,85.979 ; U9_4.7@314.664,58.547 316.23,58.547 v1(316.484,58.801) ; v1@317.754,69.977 318.008,69.977 319.024,68.961 v1(319.278,68.961)
  Bottom Layer w0.254: SW4_4.4@270.129,85.979 271.399,84.709 271.399,71.247 272.697,69.949 v1(317.8,69.949) ; v1(316.484,58.801) 319.405,58.801 321.183,60.579 321.183,66.929 v1@319.405,68.707
FMT0_1_1: R2_1.1 SW1_1.10 U1_1.6 | length 37.1
  Top Layer w0.254: SW1_1.10@108.204,134.632 109.615,136.043 122.149,136.043 ; R2_1.1@121.934,134.723 121.934,135.828 122.149,136.043 ; U1_1.6@136.964,129.003 134.833,129.003 133.731,127.901 128.524,127.901 126.619,129.806 126.619,134.124 124.7,136.043 122.149,136.043
FMT0_1_2: R2_2.1 SW1_2.10 U1_2.6 | length 37.1
  Top Layer w0.254: SW1_2.10@238.633,135.648 240.044,137.059 252.578,137.059 ; R2_2.1@252.363,135.739 252.363,136.844 252.578,137.059 ; U1_2.6@267.393,130.019 265.262,130.019 264.16,128.917 258.953,128.917 257.048,130.822 257.048,135.14 255.129,137.059 252.578,137.059
FMT1_1_1: R3_1.1 SW1_1.11 U1_1.7 | length 35
  Top Layer w0.254: SW1_1.11@108.204,132.092 109.615,133.503 122.083,133.503 ; R3_1.1@121.934,132.146 121.934,133.354 122.083,133.503 ; U1_1.7@136.964,128.353 135.072,128.353 134.112,127.393 128.314,127.393 126.111,129.596 126.111,131.838 124.446,133.503 122.083,133.503
FMT1_1_2: R3_2.1 SW1_2.11 U1_2.7 | length 35
  Top Layer w0.254: SW1_2.11@238.633,133.108 240.044,134.519 252.512,134.519 ; R3_2.1@252.363,133.162 252.363,134.37 252.512,134.519 ; U1_2.7@267.393,129.369 265.501,129.369 264.541,128.409 258.743,128.409 256.54,130.612 256.54,132.854 254.875,134.519 252.512,134.519
FS0_1_1: R5_1.1 SW1_1.13 U1_1.9 | length 32.2
  Top Layer w0.254: SW1_1.13@108.204,127.012 109.488,128.296 123.111,128.296 ; R5_1.1@121.934,126.994 121.934,127.119 123.111,128.296 ; U1_1.9@136.964,127.053 135.252,127.053 134.576,126.377 127.893,126.377 125.974,128.296 123.111,128.296
FS0_1_2: R5_2.1 SW1_2.13 U1_2.9 | length 32.2
  Top Layer w0.254: SW1_2.13@238.633,128.028 239.917,129.312 253.54,129.312 ; R5_2.1@252.363,128.01 252.363,128.135 253.54,129.312 ; U1_2.9@267.393,128.069 265.681,128.069 265.005,127.393 258.322,127.393 256.403,129.312 253.54,129.312
FS1_1_1: R6_1.1 SW1_1.14 U1_1.10 | length 31.3
  Top Layer w0.254: SW1_1.14@108.204,124.472 109.615,125.883 122.682,125.883 ; R6_1.1@121.934,124.418 122.124,124.607 122.124,125.325 122.682,125.883 ; U1_1.10@136.964,126.403 135.321,126.403 134.801,125.883 122.682,125.883
FS1_1_2: R6_2.1 SW1_2.14 U1_2.10 | length 31.3
  Top Layer w0.254: SW1_2.14@238.633,125.488 240.044,126.899 253.111,126.899 ; R6_2.1@252.363,125.434 252.553,125.623 252.553,126.341 253.111,126.899 ; U1_2.10@267.393,127.419 265.75,127.419 265.23,126.899 253.111,126.899
FS2_1_1: R7_1.1 SW1_1.15 U1_1.11 | length 31.7
  Top Layer w0.254: SW1_1.15@108.204,121.932 109.361,123.089 122.301,123.089 ; R7_1.1@121.934,121.841 122.047,121.954 122.047,122.835 122.301,123.089 ; U1_1.11@136.964,125.753 135.389,125.753 134.997,125.361 128.016,125.361 125.744,123.089 122.301,123.089
FS2_1_2: R7_2.1 SW1_2.15 U1_2.11 | length 31.7
  Top Layer w0.254: SW1_2.15@238.633,122.948 239.79,124.105 252.73,124.105 ; R7_2.1@252.363,122.857 252.476,122.97 252.476,123.851 252.73,124.105 ; U1_2.11@267.393,126.769 265.818,126.769 265.426,126.377 258.445,126.377 256.173,124.105 252.73,124.105
HPFD+_1_1: R8_1.1 SW1_1.16 U1_1.12 | length 32.9
  Top Layer w0.254: SW1_1.16@108.204,119.392 109.361,120.549 122.069,120.549 ; R8_1.1@121.934,119.265 121.92,119.279 121.92,120.4 122.069,120.549 ; U1_1.12@136.964,125.103 135.458,125.103 135.095,124.74 128.157,124.74 125.222,121.805 125.222,121.057 124.714,120.549 122.069,120.549
HPFD+_1_2: R8_2.1 SW1_2.16 U1_2.12 | length 32.9
  Top Layer w0.254: SW1_2.16@238.633,120.408 239.79,121.565 252.498,121.565 ; R8_2.1@252.363,120.281 252.349,120.295 252.349,121.416 252.498,121.565 ; U1_2.12@267.393,126.119 265.887,126.119 265.524,125.756 258.586,125.756 255.651,122.821 255.651,122.073 255.143,121.565 252.498,121.565
NetC1_1_1: C1_1.1 C3_1.1 U1_1.1 | length 7
  Top Layer w0.381: C3_1.1@130.556,132.389 133.124,132.389 C1_1.1@133.731,132.996 134.474,132.253 U1_1.1@136.964,132.253
NetC1_2_1: C1_2.1 C3_2.1 U1_2.1 | length 7
  Top Layer w0.381: C3_2.1@260.985,133.405 263.553,133.405 C1_2.1@264.16,134.012 264.903,133.269 U1_2.1@267.393,133.269
NetC2_1_1: C2_1.1 C4_1.1 U1_1.28 | length 7.3
  Top Layer w0.381: U1_1.28@144.214,132.253 147.212,132.253 C2_1.1@147.701,132.742 148.173,132.27 149.174,132.27 149.225,132.219 C4_1.1@151.13,132.219
NetC2_2_1: C2_2.1 C4_2.1 U1_2.28 | length 7.3
  Top Layer w0.381: U1_2.28@274.643,133.269 277.641,133.269 C2_2.1@278.13,133.758 278.602,133.286 279.603,133.286 279.654,133.235 C4_2.1@281.559,133.235
NetC24_1: C24.1 U4.5 | length 1.9
  Top Layer w0.381: U4.5@58.166,55.202 58.202,55.239 58.202,56.967 C24.1@58.258,57.023
NetC24_2: C24.2 U4.6 | length 1.9
  Top Layer w0.381: C24.2@57.058,57.023 57.106,57.023 57.216,56.914 U4.6@57.216,55.202
NetC41_1_1: C41_1.1 R30_1.1 R33_1.2 U10_1.1 | length 13.5
  Top Layer w0.254: R30_1.1@84.836,90.354 84.836,91.291 84.985,91.44 86.571,91.44 86.614,91.483 86.614,92.202 87.122,92.71 89.662,92.71 90.84,93.888 R33_1.2@91.821,93.888 91.821,91.821 91.059,91.059 U10_1.1@90.085,91.059
NetC41_1_2: C41_1.2 R30_1.2 R32_1.1 U10_1.4 | length 12.9
  Top Layer w0.254: R30_1.2@84.836,89.154 86.571,89.154 C41_1.2@86.614,89.197 86.614,87.884 87.249,87.249 U10_1.4@90.085,87.249 92.18,87.249 92.583,86.846 92.583,85.112 92.434,84.963 91.268,84.963 R32_1.1@91.059,84.754
NetC41_2_1: C41_2.1 R30_2.1 R33_2.2 U10_2.1 | length 13.2
  Top Layer w0.254: R30_2.1@149.945,90.397 149.945,91.334 150.093,91.483 151.68,91.483 C41_2.1@151.723,91.44 151.996,91.713 153.442,91.713 155.66,93.931 R33_2.2@156.93,93.931 156.93,91.864 156.168,91.102 U10_2.1@155.194,91.102
NetC41_2_2: C41_2.2 R30_2.2 R32_2.1 U10_2.4 | length 12.9
  Top Layer w0.254: R30_2.2@149.945,89.197 151.68,89.197 C41_2.2@151.723,89.24 151.723,87.927 152.358,87.292 U10_2.4@155.194,87.292 157.289,87.292 157.692,86.889 157.692,85.155 157.543,85.006 156.377,85.006 R32_2.1@156.168,84.797
NetC41_3_1: C41_3.1 R30_3.1 R33_3.2 U10_3.1 | length 13.1
  Top Layer w0.254: R30_3.1@215.053,90.27 215.053,91.207 215.202,91.356 216.788,91.356 217.018,91.586 218.551,91.586 220.769,93.804 R33_3.2@222.038,93.804 222.038,91.737 221.276,90.975 U10_3.1@220.302,90.975
NetC41_3_2: C41_3.2 R30_3.2 R32_3.1 U10_3.4 | length 12.9
  Top Layer w0.254: R30_3.2@215.053,89.07 216.788,89.07 C41_3.2@216.831,89.113 216.831,87.8 217.466,87.165 U10_3.4@220.302,87.165 222.398,87.165 222.8,86.762 222.8,85.028 222.652,84.879 221.485,84.879 R32_3.1@221.276,84.67
NetC41_4_1: C41_4.1 R30_4.1 R33_4.2 U10_4.1 | length 13.1
  Top Layer w0.254: R30_4.1@280.162,90.354 280.162,91.291 280.311,91.44 281.897,91.44 C41_4.1@281.94,91.397 282.29,91.397 283.349,92.456 285.715,92.456 286.899,93.64 286.974,93.64 R33_4.2@287.147,93.813 ; U10_4.1@285.411,91.059 286.385,91.059 287.147,91.821 R33_4.2@287.147,93.813 ; R33_4.2@287.147,93.888 R33_4.2@287.147,93.813
NetC41_4_2: C41_4.2 R30_4.2 R32_4.1 U10_4.4 | length 12.9
  Top Layer w0.254: R30_4.2@280.162,89.154 281.897,89.154 C41_4.2@281.94,89.197 281.94,87.884 282.575,87.249 U10_4.4@285.411,87.249 287.506,87.249 287.909,86.846 287.909,85.112 287.76,84.963 286.594,84.963 R32_4.1@286.385,84.754
NetC44_1_1: C44_1.1 P16_1.1 R32_1.2 | length 7.4
  Top Layer w0.254: P16_1.1@90.424,77.724 P16_1.1@91.059,77.724 ; R32_1.2@91.059,82.804 91.134,82.804 91.948,81.99 C44_1.1@91.948,80.391 91.948,78.613 P16_1.1@91.059,77.724 ; P16_1.1@91.694,78.359 P16_1.1@91.059,77.724
NetC44_2_1: C44_2.1 P16_2.1 R32_2.2 | length 7.4
  Top Layer w0.254: P16_2.1@155.533,77.767 P16_2.1@156.168,77.767 ; R32_2.2@156.168,82.847 156.243,82.847 157.057,82.033 C44_2.1@157.057,80.434 157.057,78.656 P16_2.1@156.168,77.767 ; P16_2.1@156.803,78.402 P16_2.1@156.168,77.767
NetC44_3_1: C44_3.1 P16_3.1 R32_3.2 | length 7.4
  Top Layer w0.254: P16_3.1@220.641,77.64 P16_3.1@221.276,77.64 ; R32_3.2@221.276,82.72 221.351,82.72 222.165,81.906 C44_3.1@222.165,80.307 222.165,78.529 P16_3.1@221.276,77.64 ; P16_3.1@221.911,78.275 P16_3.1@221.276,77.64
NetC44_4_1: C44_4.1 P16_4.1 R32_4.2 | length 7.4
  Top Layer w0.254: P16_4.1@285.75,77.724 P16_4.1@286.385,77.724 ; R32_4.2@286.385,82.804 286.46,82.804 287.274,81.99 C44_4.1@287.274,80.391 287.274,78.613 P16_4.1@286.385,77.724 ; P16_4.1@287.02,78.359 P16_4.1@286.385,77.724
NetC45_1_1: C45_1.1 P18_1.2 R35_1.2 | length 5.7
  Top Layer w0.254: P18_1.2@94.615,77.724 94.615,77.885 93.896,78.604 C45_1.1@93.896,80.391 93.896,82.16 94.54,82.804 R35_1.2@94.615,82.804
NetC45_2_1: C45_2.1 P18_2.2 R35_2.2 | length 5.7
  Top Layer w0.254: P18_2.2@159.724,77.767 159.724,77.928 159.005,78.647 C45_2.1@159.005,80.434 159.005,82.203 159.649,82.847 R35_2.2@159.724,82.847
NetC45_3_1: C45_3.1 P18_3.2 R35_3.2 | length 5.7
  Top Layer w0.254: P18_3.2@224.832,77.64 224.832,77.801 224.113,78.52 C45_3.1@224.113,80.307 224.113,82.076 224.757,82.72 R35_3.2@224.832,82.72
NetC45_4_1: C45_4.1 P18_4.2 R35_4.2 | length 5.7
  Top Layer w0.254: P18_4.2@289.941,77.724 289.941,77.885 289.222,78.604 C45_4.1@289.222,80.391 289.222,82.16 289.866,82.804 R35_4.2@289.941,82.804
NetC46_1_1: C46_1.1 R36_1.2 U10_1.2 | length 20
  Top Layer w0.254: R36_1.2@83.312,91.821 83.523,91.61 C46_1.1@83.523,89.535 83.523,87.927 85.344,86.106 v1(88.773,86.106) ; U10_1.2@90.085,89.789 92.71,89.789 92.964,89.535 v1(92.964,89.027)
  Bottom Layer w0.254: v1(88.773,86.106) 91.948,86.106 92.964,87.122 v1(92.964,89.027)
NetC46_2_1: C46_2.1 R36_2.2 U10_2.2 | length 19.8
  Top Layer w0.254: R36_2.2@148.421,91.864 148.632,91.653 C46_2.1@148.632,89.578 148.632,88.096 150.749,85.979 v1@153.543,85.979 ; U10_2.2@155.194,89.832 155.544,89.832 156.349,89.027 v1(157.988,89.027)
  Bottom Layer w0.254: v1(153.289,85.852) 156.591,85.852 157.988,87.249 v1(157.988,89.027)
NetC46_3_1: C46_3.1 R36_3.2 U10_3.2 | length 11.2
  Top Layer w0.254: C46_3.1@213.74,89.451 213.74,91.526 R36_3.2@213.529,91.737 213.529,91.862 213.952,92.285 214.077,92.285 214.629,92.837 v1(216.027,92.837) ; v1(218.694,89.789) 218.778,89.705 U10_3.2@220.302,89.705
  Bottom Layer w0.254: v1(216.027,92.837) 218.57,90.294 218.57,89.913 v1(218.694,89.789)
NetC46_4_1: C46_4.1 R36_4.2 U10_4.2 | length 19.3
  Top Layer w0.254: R36_4.2@278.638,91.821 278.849,91.61 C46_4.1@278.849,89.535 278.849,89.185 281.928,86.106 v1(283.972,86.106) ; U10_4.2@285.411,89.789 285.474,89.725 288.226,89.725 v1(288.29,89.662)
  Bottom Layer w0.254: v1(283.972,86.106) 287.274,86.106 288.29,87.122 v1(288.29,89.662)
NetC47_1_1: C47_1.1 R34_1.2 R37_1.1 U10_1.8 | length 21.8
  Top Layer w0.254: R34_1.2@93.218,93.888 93.218,91.821 93.98,91.059 U10_1.8@94.985,91.059 ; R37_1.1@97.028,87.884 94.234,87.884 93.853,88.265 93.853,89.916 94.615,90.678 94.615,90.689 U10_1.8@94.985,91.059 ; C47_1.1@103.632,91.778 103.632,92.456 103.124,92.964 96.012,92.964 95.504,92.456 95.504,91.207 95.356,91.059 U10_1.8@95.335,91.059 U10_1.8@94.985,91.059
NetC47_1_2: C47_1.2 R35_1.1 R37_1.2 U10_1.5 | length 28.1
  Top Layer w0.254: R35_1.1@94.615,84.754 94.406,84.963 93.218,84.963 92.989,85.192 92.989,86.766 93.472,87.249 U10_1.5@95.335,87.249 95.685,87.249 96.25,86.684 R37_1.2@97.028,86.684 97.028,83.82 97.663,83.185 105.283,83.185 106.045,83.947 106.045,89.154 105.621,89.578 C47_1.2@103.632,89.578
NetC47_2_1: C47_2.1 R34_2.2 R37_2.1 U10_2.8 | length 21.8
  Top Layer w0.254: R34_2.2@158.327,93.931 158.327,91.864 159.089,91.102 U10_2.8@160.094,91.102 ; R37_2.1@162.137,87.927 159.343,87.927 158.962,88.308 158.962,89.959 159.724,90.721 159.724,90.732 U10_2.8@160.094,91.102 ; C47_2.1@168.741,91.821 168.741,92.499 168.233,93.007 161.121,93.007 160.613,92.499 160.613,91.25 160.465,91.102 U10_2.8@160.444,91.102 U10_2.8@160.094,91.102
NetC47_2_2: C47_2.2 R35_2.1 R37_2.2 U10_2.5 | length 28.1
  Top Layer w0.254: R35_2.1@159.724,84.797 159.515,85.006 158.327,85.006 158.098,85.235 158.098,86.809 158.581,87.292 U10_2.5@160.444,87.292 160.794,87.292 161.359,86.727 R37_2.2@162.137,86.727 162.137,83.863 162.772,83.228 170.392,83.228 171.154,83.99 171.154,89.197 170.73,89.621 C47_2.2@168.741,89.621
NetC47_3_1: C47_3.1 R34_3.2 R37_3.1 U10_3.8 | length 21.8
  Top Layer w0.254: R34_3.2@223.435,93.804 223.435,91.737 224.197,90.975 U10_3.8@225.202,90.975 ; R37_3.1@227.245,87.8 224.451,87.8 224.07,88.181 224.07,89.832 224.832,90.594 224.832,90.605 U10_3.8@225.202,90.975 ; C47_3.1@233.849,91.694 233.849,92.372 233.341,92.88 226.229,92.88 225.721,92.372 225.721,91.123 225.573,90.975 U10_3.8@225.552,90.975 U10_3.8@225.202,90.975